# Altium PCB PCB_Gateway.PcbDoc (part 2 of 2)
Units mil, origin at the board's own origin, x right, y up, seen from the top; angles counter-clockwise.
Board outline 3595 x 2205 mil, 2 copper layers (Top Layer, Bottom Layer); 108 components, 73 nets, 446 pads, 140 vias.
Unrouted connection lines stored in the file: 5.
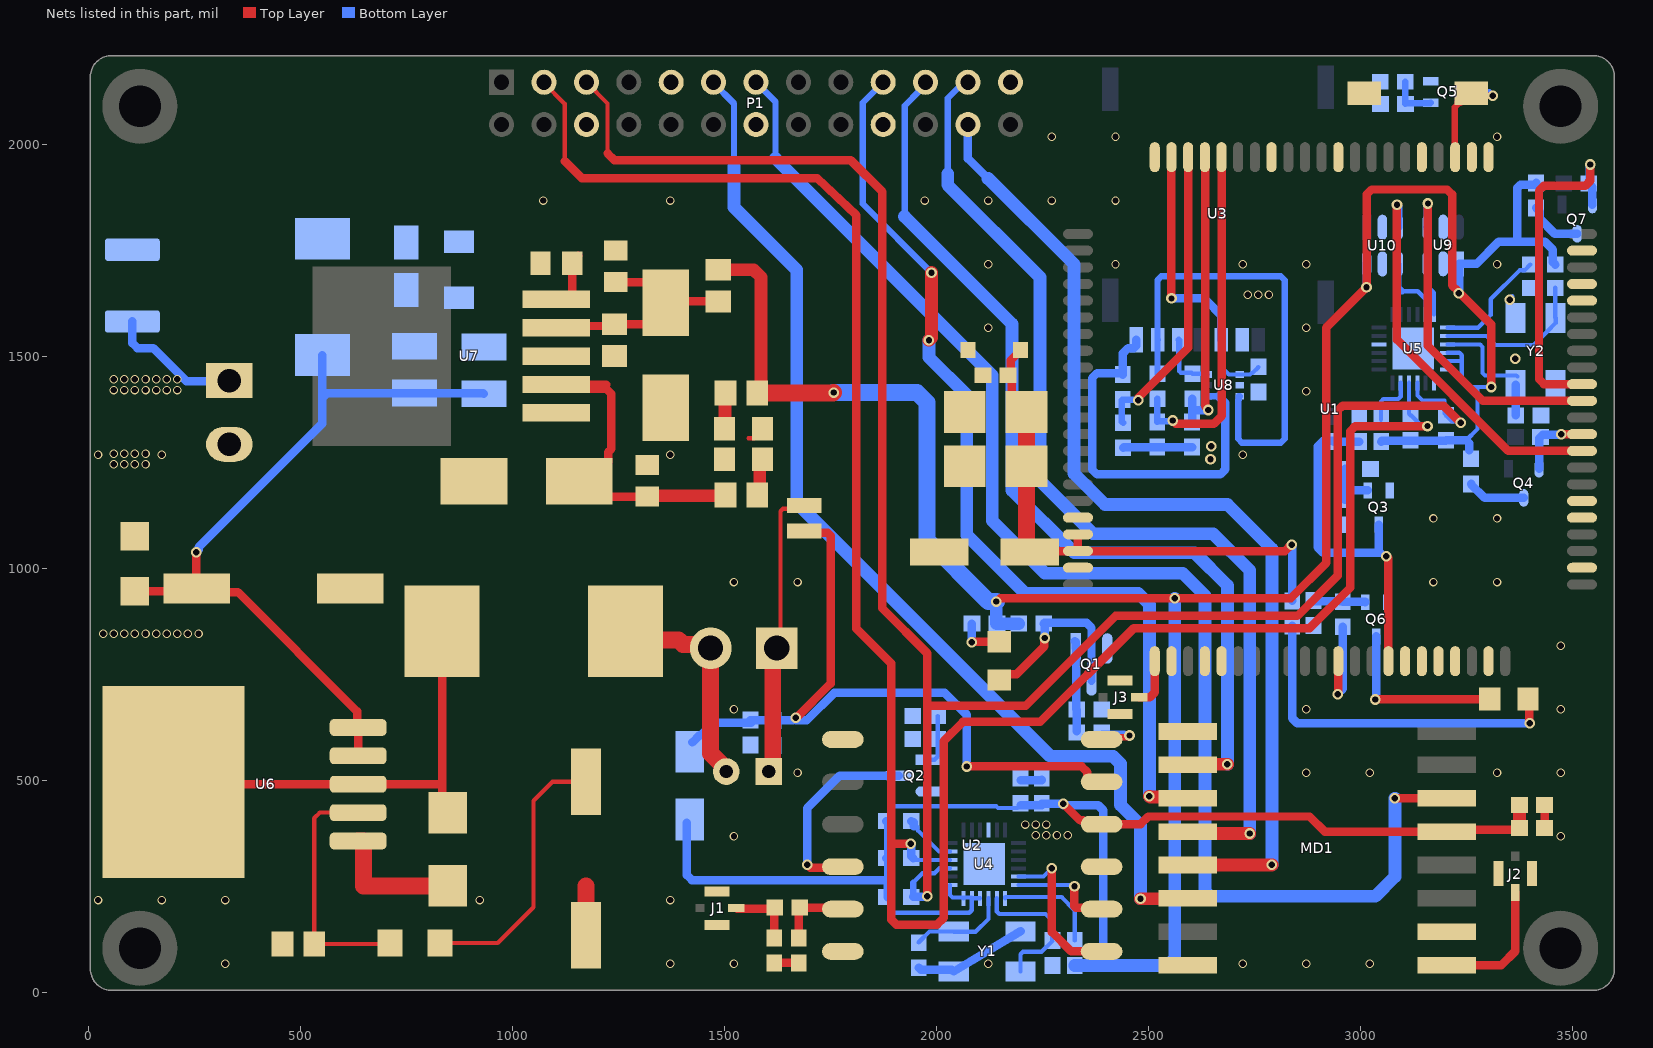
[diagram p2: the nets of this part, all layers, seen from the top]

## Via types
v1: diameter 20, hole 15, Top Layer to Bottom Layer, tented both sides, 92 vias
v2: diameter 25, hole 15, Top Layer to Bottom Layer, tented both sides, 48 vias

## Nets (pads, with @x,y where several pads share a name; then routed paths per layer and width w, separated by ;. In a path a pad name is that pad's centre, name@x,y a point inside that pad or via, vN(x,y) a via of type N, cw(c..) or ccw(c..) an arc to the next point about the centre after c; other vN are vias at no path point) (continued)
+3V3: C3.2 C4.1 C10.2 C11.2 D1.1 L5.2 MD1.13 R1.2 R2.2 R14.2 R20.2 R22.1 R23.1 R24.1 R25.1 R26.1 R27.1 R28.1 R29.1 R35.2 U2.4 U4.4 U4.5 U4.6 U4.7 U5.4 U5.5 U9.1 U10.6 | length 9331.1
  Top Layer w20: v2(2142,922) 2143.35,922 2151.35,930 v2(2563,930) 2837,930 2920,1013 2920,1568.21 v2(3015.2,1663.4) 3015.2,1882.28 3026.91,1894 3205.28,1894 3217,1882.28 3217,1667.75 3230.5,1654.25 3230.5,1652.85 3233,1650.35 v2(3233,1649) ; v2(2299.53,445.47) 2339.32,405.68 2346.35,405.68 2355.35,396.69 U2.4@2390.12,396.69 ; U2.4@2388.43,397 2482.31,397 2500.31,415 2881,415 2916.63,379.37 MD1.13@3204.12,379.37 3208.75,384 C10.2@3367.3,384 ; v2@3238.5,1646.5 3309,1576 v2(3309,1428.02)
  Top Layer w30: L5.2@1486,1704.8 1569.43,1704.8 1587,1687.23 1587,1423.2 R35.2@1577.8,1414 ; C10.2@3376,388 C11.2@3376,442
  Top Layer w40: R35.2@1577.8,1414 1757,1414 v2(1758,1415)
  Bottom Layer w10: R28.1@1882.47,404 1890,411.53 1890,433.14 1895.86,439 2133,439 2141.67,439 2145.67,435 2192.53,435 C4.1@2199,441.47 ; R24.1@1885.47,225 1889,221.47 1889,193.86 1894.86,188 2078.14,188 2084,193.86 U4.5@2084,222 U4.4@2103.69,222 ; U4.7@2032.82,253.5 2032.82,229.86 2038.68,224 2064.04,224 2064.32,223.72 U4.6@2064.32,222 ; U4.6@2064.32,224 U4.5@2084,224 ; U5.5@3205.99,1489.19 3234.14,1489.19 ; U5.4@3205.99,1508.87 3234.14,1508.87 3240,1503.02 3240,1449.03 3261.02,1428.02 3277.01,1428.02 ; 3250.28,1302.47 3277.01,1329.2 3277.01,1428.02 ; v2(3309,1428.02) 3277.01,1428.02
  Bottom Layer w20: D1.1@1412,400.12 1412,276.72 1423.72,265 1885.47,265 ; R25.1@1882.47,317 1887.38,321.91 1887.38,399.09 R28.1@1882.47,404 ; R24.1@1885.47,225 1885.47,265 ; R25.1@1886.47,317 1886.47,271 1885.47,270 1885.47,265 ; C4.1@2199,441.47 2199.5,441.97 2248.5,441.97 C3.2@2249,442.47 ; C3.2@2249,445.47 v2(2299.53,445.47) ; v2@2299.53,441.47 2382.28,441.47 2394,429.76 2394,63.47 ; v2(3015.2,1663.4) U10.6@3015.2,1718.35 ; R29.1@3050,1299.47 3051.5,1300.97 3201.5,1300.97 R26.1@3203,1302.47 3250.28,1302.47 3257.71,1295.05 3257.71,1278.93 ; v2(3233,1649) 3234.2,1650.2 3234.2,1717.88 U9.1@3233.4,1718.67 3274.67,1718.67 3327,1771 3435.62,1771 3454.67,1751.95 3454.67,1722.86 R23.1@3460.53,1717 ; 3370.77,1781.23 3370.77,1897.81 3378.34,1905.38 3410.85,1905.38 R20.2@3415,1909.53
  Bottom Layer w30: v2(2142,922) 2142,871.53 ccw(c2143.53,871.53) R1.2@2143.53,870 R2.2@2194.47,870 ; R22.1@2327,63.47 2394,63.47 2545.43,63.47 2563,81.05 v2(2563,930)
  Bottom Layer w40: v2(1758,1415) 1954.57,1415 1978,1391.57 1978,1067 2123,922 v2(2142,922)
+5: C18.1 C19.1 C20.1 FAN.2 H1.2 L4.2 R30.1 R34.2 U7.1 U7.2 | length 2041.1
  Top Layer w10: R30.1@830.11,116.73 965.73,116.73 1050,201 1050,452 1095,497 C18.1@1174,497
  Top Layer w20: 1222,1434 U7.2@1104,1434 1114.5,1423.5 1222.28,1423.5 1234,1411.78 1234,1282 1226.14,1274.14 1226.14,1251.12 1181.02,1206 C20.1@1158,1206 1194.23,1169.77 C19.1@1318.13,1169.77
  Top Layer w30: C19.1@1318.13,1169.77 1319.75,1171.39 1501.39,1171.39 R34.2@1503,1173
  Top Layer w40: L4.2@1267.54,852 1288.22,831.31 1392.69,831.31 1402.82,821.18 1458.92,821.18 H1.2@1468.09,812 1468.09,564.13 1505,527.22 FAN.2@1505,521
+24: F1.1 P2.1 | length 306.1
  Bottom Layer w20: F1.1@104,1582.71 104,1531.55 115.72,1519.83 153.17,1519.83 231,1442 P2.1@321.86,1442
  other v1: 60,1421 85,1421 110,1421 135,1421 160,1421 185,1421 210,1421 60,1446 85,1446 110,1446 135,1446 160,1446 185,1446 210,1446
+24_PR: D3.1 D4.2 D5.1 F1.2
+VDD_EXT: U1.44
+VIN_24: C16.2 C17.1 C23.2 C24.2 D3.2 U6.4 U6.5 | length 1813.5
  Top Layer w20: C16.2@110,946.08 248.87,946.08 C17.1@255.8,953 ; v2(255,1038) 255,953.8 C17.1@255.8,953 ; U6.4@636.43,558.05 U6.5@636.43,624.98 634.05,627.35 634.05,662.95 352.82,944.18 264.61,944.18 C17.1@255.8,953
  Bottom Layer w20: v2(255,1038) 255,1039.35 260,1044.35 260,1050 552,1342 552,1402 ; D3.2@552,1503.57 552,1402 ; C24.2@933,1412 931.24,1413.76 C23.2@769,1413.76 563.76,1413.76 552,1402
  other v1: 35,846 60,846 85,846 110,846 135,846 160,846 185,846 210,846 235,846 260,846
ADJ: R31.1 R33.2 U7.5 | length 139.2
  Top Layer w20: U7.5@1104,1635 1131.07,1635 1141.57,1645.5 R33.2@1141.57,1719.61 1141.57,1723.54 R33.2@1155.2,1737.17
CLK: MD1.4 P1.23 | length 2407
  Top Layer w30: MD1.4@2593.88,379.37 2598.25,375 v2(2740,375)
  Bottom Layer w10: P1.23@2065,2147 P1.23@2075,2147
  Bottom Layer w15: 2027,1931 2027,2109 P1.23@2065,2147
  Bottom Layer w30: 2027,1931 2027,1905 2245,1687 2245,1207 2369.93,1082.07 2653.35,1082.07 2740,995.42 v2(2740,375)
FB: R30.2 R32.2 U6.2 | length 583.2
  Top Layer w10: U6.2@636.43,424.19 546.19,424.19 532.8,410.8 R32.2@532.8,114 R30.2@710,114
GMS_!FLIGHTMODE: R11.1
GMS_!PWRKEY: R16.1
GMS_ANTEN: J3.1 U1.82 | length 108.8
  Top Layer w20: J3.1@2479.28,696 2503.9,696 2515.61,707.72 U1.82@2515.61,775.28
GMS_DTR: Q7.2 R19.2 U1.72 | length 831
  Top Layer w20: U1.72@3535,1434.89 3433.72,1434.89 3422,1446.61 3422,1891.28 3433.72,1903 3531.28,1903 3543,1914.72 v2(3543,1953)
  Bottom Layer w20: v2(3543,1953) 3542.04,1952.04 3542.04,1910.52 R19.2@3539.53,1908 3547.73,1899.8 3547.73,1858.81 Q7.2@3548.02,1858.52
GMS_FLIGHTMODE: C28.1 Q3.3 R9.1 U1.54 | length 801.6
  Top Layer w20: v2(3062,1029) 3066.1,1024.9 U1.54@3066.1,790.92
  Bottom Layer w20: R9.1@2938,1299.47 C28.1@2998,1299.47 ; R9.1@2938,1301.47 2913.47,1301.47 2900,1288 2900,1050 2913,1037 3047,1037 3044,1040 Q3.3@3044,1103.65
GMS_NETLED: R18.1 U1.51 | length 242.3
  Top Layer w20: v2(2947.5,703.5) 2947.5,704.85 2949,706.35 2949,781.03 U1.51@2948.68,781.35
  Bottom Layer w20: v2(2947.5,703.5) 2947.5,704.85 2959,716.35 R18.1@2959,862.47
GMS_PWRKEY: Q5.3 SW.1 U1.3 | length 345.7
  Top Layer w15: U1.3@3223,1969.11 3223,2088.15 3230.13,2095.28 3230.13,2100.94 3252.19,2123 3257.85,2123 3265.85,2115 v2(3313,2115)
  Top Layer w20: SW.1@3235.79,2100.94 3235.79,2121 SW.1@3262,2121
  Bottom Layer w15: Q5.3@3247.35,2124 3247.85,2123.5 3304.5,2123.5 v2(3313,2115)
GMS_RI: Q4.2 R13.2 U1.69 | length 176.7
  Top Layer w20: v2(3474.85,1316.78) U1.69@3523.49,1316.78
  Bottom Layer w20: Q4.2@3422.02,1235.52 3422.32,1235.81 3422.32,1306.79 R13.2@3425.53,1310 3431.35,1315.82 3473.9,1315.82 v2(3474.85,1316.78)
GMS_RP_DTR: Q7.3 R20.1 | length 131.9
  Bottom Layer w20: R20.1@3415,1850.47 3423.7,1841.77 3423.7,1825.3 3459.27,1789.73 3511.29,1789.73 3511.54,1789.48 Q7.3@3512,1789.48
GMS_RP_RI: Q4.3 R14.1 | length 138.2
  Bottom Layer w20: R14.1@3262,1199.47 3262,1198.49 3294,1166.48 Q4.3@3386,1166.48
GMS_RP_RX: U5.23 U10.4 | length 167.4
  Bottom Layer w10: 3099,1654 3136,1654 3154.81,1635.19 U5.23@3154.81,1599.43
  Bottom Layer w15: U10.4@3090,1718.35 3090,1663 3099,1654
GMS_RP_TX: U5.24 U9.3 | length 125.8
  Bottom Layer w10: 3161,1664 3174.5,1650.5 U5.24@3174.5,1599.43
  Bottom Layer w15: U9.3@3158.6,1718.67 3158.6,1666.4 3161,1664
GMS_RX: U1.68 U10.3 | length 929
  Top Layer w20: v2(3087,1858) 3087,1540 3349.59,1277.41 U1.68@3535,1277.41
  Bottom Layer w20: v2(3087,1858) 3087,1856.65 3089.53,1854.11 3089.53,1805.47 U10.3@3090,1805
GMS_SCL: U1.55
GMS_SDA: U1.56
GMS_TX: U1.71 U9.4 | length 820.9
  Top Layer w20: v2(3160,1861) 3160,1627.69 3160,1525 3289.48,1395.52 3392.17,1395.52 U1.71@3535,1395.52
  Bottom Layer w20: U9.4@3158.6,1805.33 3159.06,1805.79 3159.06,1860.06 v2(3160,1861)
GND: BAT1.N C1.1 C2.2 C3.1 C4.2 C5.2 C6.2 C7.2 C8.2 C9.2 C10.1 C11.1 C12.2 C13.2 C14.2 C15.2 C16.1 C17.2 C18.2 C19.2 C20.2 C21.1 C22.2 C23.1 C24.1 C25.2 C26.2 C27.2 C28.2 D2.1 D4.1 D5.2 D6.1 FAN.1 H1.1 J1.2 J1.3 J2.2 J2.3 J3.2 J3.3 L3.2 L6.2 MD1.1 MD1.8 MD1.10 P1.6 P1.9 P1.14 P1.20 P1.25 P2.2 Q1.2 Q2.2 Q3.2 Q5.2 Q6.2 R6.1 R10.1 R12.1 R17.1 R21.1 R32.1 R33.1 R36.2 R37.2 SW.2 U1.1 U1.2 U1.5 U1.10 U1.14 U1.37 U1.40 U1.41 U1.43 U1.57 U1.58 U1.60 U1.61 U1.64 U1.65 U1.77 U1.78 U1.80 U1.81 U2.3 U2.12 U3.C5 U4.16 U4.25 U5.6 U5.7 U5.16 U5.25 U6.1 U7.3 U8.2 U9.2 U9.5 U10.2 U10.5 Y1.2 Y1.4 Y2.2 Y2.4 | length 1746.7
  Top Layer w10: L3.2@1500.54,1258 L3.2@1500.54,1260.5 ; 1557.5,1307.5 L6.2@1570.54,1307.5 ; L6.2@1590.54,1327.5 L6.2@1590.54,1330 ; H1.1@1624,812 1633,821 1633,1135.14 1638.86,1141 1681.94,1141 BAT1.N@1689,1148.06
  Top Layer w20: R36.2@1618,69.47 R37.2@1676,69.47 ; C10.1@3435.06,388 C11.1@3435.06,442
  Top Layer w40: U6.1@636.43,357.26 649,357.26 649,251.45 D2.1@848,251.45 ; C18.2@1174,134.8 1174,251.45 ; FAN.1@1605,521 1614.5,530.5 1614.5,802.5 H1.1@1624,812
  Bottom Layer w10: v2(2649,1288) v2@2650,1287 ; v2(3353,1634) 3353,1636 v2@3359,1642
  Bottom Layer w20: C14.2@1959,58.47 1963.48,53.99 2037.04,53.99 Y1.2@2041.52,49.51 Y1.4@2199,144 ; C4.2@2199,500.53 2199.5,501.03 2248.5,501.03 C3.1@2249,501.53 ; C25.2@2441,1284.47 2442,1285.47 2520.5,1285.47 C26.2@2521.5,1286.47 ; C26.2@2521.5,1286.47 C27.2@2603.5,1286.5
  other v1: 323,68 1373,68 1523,68 2123,68 2723,68 2873,68 3023,68 23,218 173,218 323,218 923,218 1373,218 1523,368 3473,368 2235,371 2260,371 2285,371 2310,371 2210,396 2235,396 2260,396 1673,518 2873,518 3023,518 3323,518 3473,518 1523,668 2873,668 3473,668 3473,818 1523,968 1673,968 3173,968 3323,968 3173,1118 3323,1118 60,1246 85,1246 110,1246 135,1246 23,1268 173,1268 1373,1268 2723,1268 60,1271 85,1271 110,1271 135,1271 2873,1418 2123,1568 2873,1568 2735,1646 2760,1646 2785,1646 2123,1718 2423,1718 2723,1718 2873,1718 3323,1718 1073,1868 1373,1868 1973,1868 2123,1868 2273,1868 2423,1868 2273,2018 2423,2018 3323,2018
  other v2: 2647,1258 3366,1495
GPS_ANTEN: R37.1 R38.1 U2.11 | length 176.2
  Top Layer w20: R37.1@1676,128.53 1676,197.47 cw(c1678.53,197.47) R38.1@1678.53,200 1776.57,200 cw(c1776.57,196.69) U2.11@1779.88,196.69
GPS_PPS: L1.2 Q1.3 R2.1 | length 437.6
  Top Layer w20: L1.2@2149,737 2162.96,750.96 2189.96,750.96 2255.45,816.45 2255.45,835.45 v2(2256,836)
  Bottom Layer w20: v2(2256,836) 2256,867.53 ccw(c2253.53,867.53) R2.1@2253.53,870 2255.53,872 2256,872 2354.69,872 2366.4,860.28 Q1.3@2366.4,735.76
GPS_RESET: R4.1
GPS_RX: U2.1 U4.23 | length 375
  Top Layer w20: v2(2273,293) 2273,142.3 2318.61,96.69 U2.1@2390.12,96.69
  Bottom Layer w10: U4.23@2194.24,273.18 2253.18,273.18 v2(2273,293)
  Bottom Layer w20: v2@2271.65,293 v2(2273,293)
GPS_TIMER: U2.7
GPS_TX: U2.2 U4.24 | length 247.5
  Top Layer w20: v2(2326.25,250.75) 2326.25,202.79 2329,200.04 2386.76,200.04 U2.2@2390.12,196.69
  Bottom Layer w10: U4.24@2194.24,253.5 2323.5,253.5 v2(2326.25,250.75)
GPS_V_BCKP: BAT1.P C1.2 C2.1 D1.2 U2.5 | length 1711.9
  Top Layer w20: v2@1671.31,648.96 1751,728.65 1751,1077.28 1744.39,1083.89 1694.11,1083.89 BAT1.P@1689,1089 ; v2(2072,533) 2343.21,533 2356.88,519.32 2356.88,505.63 2365.83,496.69 U2.5@2390.12,496.69
  Bottom Layer w20: D1.2@1425,589.75 1442.46,607.21 1445.15,607.21 1473.94,636 C2.1@1564.08,636 ; C2.1@1562,642.53 1562.5,642.03 1616.5,642.03 C1.2@1617,641.53 1661.17,641.53 1667.65,648 v2(1669,648) ; v2@1668.22,642.22 1695.22,642.22 1760,707 2020,707 2072,655 v2(2072,533)
GPSPPS: R3.1 U2.6 | length 124.2
  Top Layer w10: U2.6@2390.12,596.69 U2.6@2395.74,602.31 ; v2@2448.25,602.31 2451.94,606 v2(2456,606)
  Top Layer w15: U2.6@2395.74,602.31 v2@2448.25,602.31
  Bottom Layer w10: R3.1@2390.53,613 2444.94,613
GPSRESET: Q2.3 U2.10 | length 468.4
  Top Layer w20: v2(1696.04,301.46) 1703.18,294.32 1777.51,294.32 U2.10@1779.88,296.69
  Bottom Layer w20: v2(1696.04,301.46) 1696.04,309.96 1696,310 1696,435 1772.4,511.4 Q2.3@1911.39,511.4
LORA_ANTEN: J2.1 MD1.9 | length 314.1
  Top Layer w20: MD1.9@3204.12,64.41 3333.41,64.41 3366,97 J2.1@3366,235.72
LORA_DIO0: MD1.14 P1.13 | length 3316.4
  Top Layer w20: v2(3082.11,458.11) MD1.14@3204.12,458.11
  Bottom Layer w15: P1.13@1575,2147 1621,2101 1621,1967
  Bottom Layer w30: 1621,1967 2132,1456 2132,1113 2256,989 2581,989 2634,936 2634,238.72 2645.72,227 3036,227 3082.11,273.11 v2(3082.11,458.11)
LORA_RESET: MD1.6 P1.11 | length 2542.3
  Top Layer w30: v2(2482,221) 2592.99,221 MD1.6@2593.88,221.89
  Bottom Layer w10: P1.11@1475,2145 P1.11@1475,2147
  Bottom Layer w15: P1.11@1475,2145 1523,2097 1523,1949
  Bottom Layer w30: 1523,1949 1523,1852 1671,1704 1671,1155 2269,557 2417.43,557 2435,539.43 2435,442 2482,395 v2(2482,221)
LORA_SS: MD1.5 P1.24 | length 2411.1
  Top Layer w30: MD1.5@2593.88,300.63 2791.63,300.63 v2(2792,301)
  Bottom Layer w20: P1.24@2075,2047 2075,1967 2122,1920
  Bottom Layer w30: 2122,1920 2123,1920 2325,1718 2325,1518.5 2325,1224 2398,1151 2687,1151 2792,1046 v2(2792,301)
MISO: MD1.2 P1.21 | length 2204.9
  Top Layer w30: MD1.2@2593.88,536.85 2595.03,538 v2(2687,538)
  Bottom Layer w10: P1.21@1962,2128 1975,2141 P1.21@1975,2147
  Bottom Layer w15: 1925.47,1830.1 1925.47,2091.47 P1.21@1962,2128
  Bottom Layer w30: 1925.47,1830.1 2179,1576.57 2179,1184 2326,1037 2610,1037 2687,960 v2(2687,538)
MOSI: MD1.3 P1.19 | length 2238.2
  Top Layer w30: v2(1982.93,1538.07) 1989,1544.14 v2(1989,1698) ; v2(2503,463) 2504.77,461.23 2590.77,461.23 MD1.3@2593.88,458.11
  Bottom Layer w15: P1.19@1875,2147 1827,2099 1827,2044 1827,1860 v2(1989,1698)
  Bottom Layer w30: v2(1982.93,1538.07) 1982.93,1498.07 2072,1409 2072,1079 2210,941 2477,941 2503,915 v2(2503,463)
MS_CLK: R8.2 U3.C3 U8.4 | length 925.5
  Bottom Layer w15: U8.4@2641,1406.41 2666.28,1406.41
  Bottom Layer w20: U3.C3@2472.31,1539.57 2472.31,1525.79 2466.56,1520.04 2452.83,1520.04 2440,1507.21 R8.2@2440,1457.53 2436.53,1461 2379.72,1461 2368,1449.28 2368,1233.72 2379.72,1222 2670.28,1222 2682,1233.72 2682,1390.69 2666.28,1406.41
MS_IO: R7.2 U3.C7 U8.3 | length 1122.7
  Bottom Layer w15: R7.2@2522,1459.53 2522.15,1459.68 2522.15,1539.41 U3.C7@2522.31,1539.57 2522,1539.87 2522,1680.21 2530.79,1689 2813.21,1689 2822,1680.21 2822,1305.79 2813.21,1297 2721.19,1297 2712.4,1305.79 2712.4,1397.25 2713.46,1398.31 2713.46,1406.04 2713.84,1406.41 U8.3@2715.8,1406.41
MS_RST: R5.2 U3.C2 U8.6 | length 148.3
  Bottom Layer w10: 2573.15,1502.7 2573.15,1465.41 2576.66,1461.91 2602.15,1461.91 R5.2@2604.5,1459.56 2631.69,1459.53 2636.63,1454.59 2638.6,1454.59 U8.6@2641,1457.59
  Bottom Layer w15: U3.C2@2572.31,1539.57 2573.15,1538.72 2573.15,1502.7
NetJ1_1: J1.1 R36.1 R38.2 | length 159.1
  Top Layer w20: J1.1@1531.28,197 1616.47,197 ccw(c1616.47,200) R38.2@1618,197.42 ; R36.1@1618,128.53 R38.2@1618,197.42 ; R38.2@1619.47,200 ccw(c1619.47,198.53) 1618,198.53 R38.2@1618,197.42
NetL1_1: L1.1 R1.1 | length 115.8
  Top Layer w20: v2(2084,826) cw(c2085,826) 2085,827 L1.1@2149,827 L1.1@2144.96,831.04
  Bottom Layer w20: v2(2084,826) 2084,870 R1.1@2084.47,870
NetL2_1: L2.1 R15.1 | length 841.3
  Top Layer w20: L2.1@3396,692 3399.04,688.96 3399.04,635.96 v2(3400,635)
  Bottom Layer w20: R15.1@2840,864.47 2840,646.72 2851.72,635 v2(3400,635)
NetL2_2: L2.2 Q6.3 | length 419.5
  Top Layer w20: v2@3036,692 L2.2@3306,692
  Bottom Layer w20: v2(3036,691) 3038,693 Q6.3@3038,839.65
NetL3_1: L3.1 R34.1 | length 90.3
  Top Layer w30: R34.1@1577.8,1173 1584.17,1179.37 1584.17,1251.63 L3.1@1590.54,1258
NetL6_1: L6.1 R35.1 | length 85
  Top Layer w30: L6.1@1500.54,1330 1501.77,1331.23 1501.77,1412.77 R35.1@1503,1414
NetQ1_1: Q1.1 R3.2 R6.2 | length 214.8
  Bottom Layer w20: Q1.1@2326.83,828.89 2329,826.72 Q1.1@2329,811.36 2330.24,810.13 2330.24,668.24 R6.2@2331.47,667 R3.2@2331.47,616
NetQ2_1: Q2.1 R4.2 R10.2 | length 115.5
  Bottom Layer w10: Q2.1@1987,548.8 1996.36,548.8 2003.53,555.97 R4.2@2003.53,598 R10.2@2003.53,652
NetQ3_1: Q3.1 R11.2 R12.2 | length 179.6
  Bottom Layer w20: R11.2@2964,1162.53 2964,1198 2965.47,1199.47 R12.2@2965.47,1235 2964.74,1234.26 2964.74,1183 2966.09,1184.35 Q3.1@3018.41,1184.35
NetQ5_1: Q5.1 R16.2 R17.2 | length 112.8
  Bottom Layer w15: R17.2@3106.53,2148 3106.76,2147.76 3106.76,2096.24 R16.2@3107,2096 3108.2,2097.2 3165.44,2097.2 Q5.1@3166.65,2098.41
NetQ6_1: Q6.1 R18.2 R21.2 | length 124.7
  Bottom Layer w20: R21.2@2890,924.53 2891.5,923.03 2957.5,923.03 R18.2@2959,921.53 3012.25,921.53 3012.41,921.37 Q6.1@3012.41,920.35
NetR22_2: R22.2 U4.1 | length 251.4
  Bottom Layer w10: U4.1@2162.74,222 2162.74,224.72 2163.02,225 2296,225 2327,194 R22.2@2327,122.53
NetR23_2: R23.2 U5.1 | length 278.9
  Bottom Layer w10: U5.1@3205.99,1567.93 3278,1567.93 3308,1597.93 3308,1635 3376.3,1703.3 3387.77,1703.3 R23.2@3401.47,1717
NetR28_2: R28.2 U4.11 | length 132.2
  Bottom Layer w10: R28.2@1947.53,391.47 1955.04,391.47 1956.21,390.3 1956.21,382.79 2006.49,332.51 2032.54,332.51 U4.11@2032.82,332.24
  Bottom Layer w20: R28.2@1941.53,404 R28.2@1947.53,398 ; R28.2@1947.53,391.47 R28.2@1947.53,398 ; R28.2@1947.53,401 R28.2@1947.53,398
NetR29_2: R29.2 U5.11 | length 126.8
  Bottom Layer w10: R29.2@3049,1351.14 3049,1394.14 3054.86,1400 3089.9,1400 3095.76,1405.86 U5.11@3095.76,1438.01
OUT: C21.2 C22.1 L5.1 R31.2 U7.4 | length 550.5
  Top Layer w20: U7.4@1104,1568 1108,1572 1237,1572 C21.2@1241,1576 1316.88,1576 1362,1621.12 C22.1@1362,1627.03 ; R31.2@1244.61,1675.43 1316.88,1675.43 1362,1630.31 C22.1@1362,1627.03 ; L5.1@1486,1630 1364.97,1630 C22.1@1362,1627.03
SCL: P1.5 R24.2 R26.2 U4.9 U5.9 | length 4723.2
  Top Layer w10: P1.5@1175,2147 1225,2097 1225,1979
  Top Layer w20: 1225,1979 1241,1963 1798.64,1963 1873,1888.64 1873,906 1979,800 1979,676 ; v2(1979,227) 1979,676 ; v2(3237.52,1343.52) 3197.04,1384 2958.72,1384 2947,1372.28 2947,983 2852,888 2423,888 2211,676 1979,676
  Bottom Layer w10: 1946,259 1968,281 1996,281 2007.87,292.87 U4.9@2032.82,292.87 ; U5.9@3135.13,1438.01 3135.13,1407.87 3147,1396 3199.14,1396 3199.14,1365.39 R26.2@3203,1361.53 3203,1360.54 3216.7,1346.84 3230.14,1346.84 3233.46,1343.52 v2(3237.52,1343.52)
  Bottom Layer w15: R24.2@1944.53,225 1945.57,226.04 1946,226.47 1946,259
  Bottom Layer w20: R24.2@1945.57,226.04 1978.04,226.04 v2(1979,227)
SDA: P1.3 R25.2 R27.2 U4.10 U5.10 | length 5155.3
  Top Layer w10: P1.3@1075,2147 1075,2145 1124,2096 1124,1961
  Top Layer w20: 1124,1961 1164,1921 1719.07,1921 1812,1833.03 1812,858 1894,776 1894,351 1894,171.72 1905.72,160 2002,160 2018,176 2018,593 2063,638 2245,638 2466,859 2881,859 2977,955 2977,1324.28 2988.72,1336 v2(3159,1336) ; 1897.78,351 v2(1940,351)
  Bottom Layer w10: R25.2@1945.53,317 1949.98,312.55 U4.10@2032.82,312.55 ; U5.10@3115.44,1438.01 3115.44,1365.09 R27.2@3119,1361.53 3119.47,1362 3145.47,1336 v2(3159,1336)
  Bottom Layer w20: v2(1940,351) 1940.96,350.04 1940.96,321.57 R25.2@1945.53,317
SIM_CLK: C25.1 R8.1 U1.19 | length 720.6
  Top Layer w15: v2(2477,1397) v2@2477,1403
  Top Layer w20: v2@2477,1403 2595,1521 U1.19@2595,1973.15
  Bottom Layer w15: R8.1@2438.74,1397.74 2476.26,1397.74 v2(2477,1397) ; R8.1@2440,1398.47 2438,1396.47 2438,1346.53 C25.1@2441,1343.53
SIM_DATA: C26.1 R7.1 U1.17 | length 818.9
  Top Layer w20: v2(2558,1349) 2565.59,1341.41 2654.96,1341.41 2674,1360.45 2674,1943.23 2673.79,1943.45 2673.79,1959.1 U1.17@2674,1959.32
  Bottom Layer w15: C26.1@2521.5,1345.53 2521.75,1345.78 2521.75,1400.22 R7.1@2522,1400.47 ; C26.1@2521.75,1349 2523.49,1347.26 2556.26,1347.26 v2(2558,1349)
SIM_RST: C27.1 R5.1 U1.18 | length 692.5
  Top Layer w20: U1.18@2634.42,1970.25 2634.42,1382.35 2641.5,1375.26 v2(2641.5,1373.91)
  Bottom Layer w20: C27.1@2603.5,1345.56 2604,1346.06 2604,1373.03 ; R5.1@2604.5,1400.5 2604,1400 2604,1373.03 ; v2(2641.5,1373.91) 2640.63,1373.04 2604.52,1373.04 2604,1373.03
SW: D2.2 L4.1 U6.3 | length 1071.4
  Top Layer w20: U6.3@201,496 205.88,491.12 U6.3@636.43,491.12 829.88,491.12 834.46,486.54 ; L4.1@834.46,852 834.46,486.54 ; D2.2@848,423.55 834.46,437.09 834.46,486.54
VBAT: C5.1 C6.1 C7.1 C8.1 D6.2 R15.2 U1.38 U1.39 | length 1294.8
  Top Layer w20: D6.2@2199.01,1515 2199.01,1514.02 2175.67,1490.67 2175.67,1461.15 2171.76,1457.24 2178.57,1450.43 2178.57,1403.27 C6.1@2212.83,1369 ; C7.1@2220.3,1039 2282,1039 2284.19,1041.19 U1.39@2334.51,1041.19 ; U1.38@2334.51,1080.56 U1.39@2334.51,1041.19 ; v2(2839,1056) 2837.65,1056 2822.84,1041.19 U1.39@2334.51,1041.19
  Top Layer w40: C7.1@2212.83,1046.46 C5.1@2212.83,1241 C6.1@2212.83,1369
  Bottom Layer w10: v2(2839,1056) v2@2840,1055
  Bottom Layer w20: R15.2@2840,923.53 2840,1017 v2@2840,1055
VMSIM: C9.1 U1.20 U3.C1 U8.1 | length 665.3
  Top Layer w20: v2(2555,1637) U1.20@2555,1943.87
  Bottom Layer w10: 2675,1473 2690.41,1457.59 U8.1@2715.8,1457.59 2740.44,1457.59 2743.69,1460.84 2746.3,1460.84 2760,1474.54 C9.1@2760,1475.53
  Bottom Layer w15: U3.C1@2672.31,1539.57 2675,1536.87 2675,1473
  Bottom Layer w20: v2(2555,1637) 2632.32,1637 2637.37,1631.96 2672.31,1597.02 U3.C1@2672.31,1539.57
XTAL1_1: C12.1 U4.2 Y1.1 | length 347.2
  Bottom Layer w10: U4.2@2143.06,222 2143.06,190.86 2148.91,185 2258,185 2274,169 C12.1@2274,122.53 2274,121.54 2248.46,96 2204.86,96 2199,90.14 Y1.1@2199,49.51
XTAL1_2: C13.1 U5.2 Y2.1 | length 368.9
  Bottom Layer w10: U5.2@3205.99,1548.24 3297.76,1548.24 3319,1527 3409.31,1527 3442.62,1560.31 3461.24,1578.93 Y2.1@3461.24,1590.74 3460.53,1591.46 C13.1@3460.53,1662
XTAL2_1: C14.1 U4.3 Y1.3 | length 237.7
  Bottom Layer w10: C14.1@1959,117.53 1959,118.51 1984.49,144 Y1.3@2041.52,144 ccw(c2042.52,144) 2042.52,143 2093,143 2123.37,173.37 U4.3@2123.37,222
XTAL2_2: C15.1 U5.3 Y2.3 | length 312.6
  Bottom Layer w10: U5.3@3205.99,1528.56 3283.14,1528.56 3289,1522.7 3289,1461.38 3294.86,1455.52 3368.48,1455.52 Y2.3@3371.24,1452.76
  Bottom Layer w20: Y2.3@3366.76,1433.26 3367.11,1432.9 3367.11,1361.36 C15.1@3367.47,1361 C15.1@3367.47,1368.53
pads on no net: J1.4 J2.4 J3.4 MD1.7 MD1.11 MD1.12 MD1.15 MD1.16 P1.1 P1.2 P1.4 P1.7 P1.8 P1.10 P1.12 P1.15 P1.16 P1.17 P1.18 P1.22 P1.26 U1.4 U1.6 U1.7 U1.8 U1.9 U1.11 U1.12 U1.13 U1.16 U1.21 U1.22 U1.23 U1.24 U1.25 U1.26 U1.27 U1.28 U1.29 U1.30 U1.31 U1.32 U1.33 U1.34 U1.35 U1.36 U1.42 U1.45 U1.46 U1.47 U1.48 U1.49 U1.50 U1.52 U1.53 U1.59 U1.62 U1.63 U1.66 U1.67 U1.70 U1.73 U1.74 U1.75 U1.76 U1.79 U1.83 U1.84 U1.85 U1.86 U1.87 U2.8 U2.9 U3. U3.C6 U3.CD U4.8 U4.12 U4.13 U4.14 U4.15 U4.17 U4.18 U4.19 U4.20 U4.21 U4.22 U5.8 U5.12 U5.13 U5.14 U5.15 U5.17 U5.18 U5.19 U5.20 U5.21 U5.22 U6. U7.6 U8.5

## Polygon pours and split planes (outlines as drawn)
+5 on Top Layer "+5_L01_P034" (solid, pour order 34): 1473,715 1223,715 1223,917 1530,917 1530,878 1544,864 1544,724 1449,724
GND on Top Layer "GND_L01_P036" (solid, remove dead copper, pour order 36): 5,55 5,2160 cw(c55,2160) 55,2210 3550,2210 cw(c3550,2160) 3600,2160 3600,55 cw(c3550,55) 3550,5 55,5 cw(c55,55)
+3V3 on Top Layer "+3V3_L01_P028" (solid, pour order 28): 1455,1680 1534,1680 1553,1661 1553,1426 1552,1425 1552,1381 1560,1373 1779,1373 1791,1385 1791,1797 1792,1798 1756,1834 1464,1834 1447,1817 1447,1688
+24 on Top Layer "+24_L01_P026" (solid, pour order 26): 393,1371 ccw(c393,1396) 418,1396 418,1754 cw(c437,1754) 437,1773 869,1773 ccw(c869,1805) 901,1805 901,2009 ccw(c880,2009) 880,2030 292,2030 ccw(c292,1967) 229,1967 cw(c180,1967) 180,1918 59,1918 ccw(c59,1880) 21,1880 21,1404 ccw(c54,1404) 54,1371
+5 on Top Layer "+5_L01_P009" (solid, pour order 9): 1011,1458 1254,1458 1254,1206 1264,1196 1371,1196 1371,1004 1011,1004
+5 on Top Layer "+5_L01_P013" (solid, pour order 13): 789,158 805,174 1001,174 1001,1129 1378,1129 1378,422 1345,389 1113,389 1079,355 1079,61.62 1050.19,32.81 789,32.81
ADJ on Top Layer "ADJ_L01_P019" (solid, pour order 19): 1103,1615 898,1615 889,1624 889,1651 903.5,1665.5 1103,1665.5
ADJ on Top Layer "ADJ_L01_P018" (solid, pour order 18): 1103,1821 1137,1855 1299,1855 1299,1737 1284,1722 1181,1722 1183.03,1614.68 1176,1615 1103,1615
OUT on Top Layer "OUT_L01_P017" (solid, pour order 17): 1527,1544 1527,1668 1446,1668 1425,1689 1425,1715 1421,1719 1209,1719 1201,1711 1201,1606 888,1606 888,1544 1022,1544
FB on Top Layer "FB_L01_P012" (solid, pour order 12): 700,456 539,456 494,411 494,32.81 764,32.81 764,392
SW on Top Layer "SW_L01_P007" (solid, pour order 7): 723,1075 723,713 775,661 775,524 769,518 491,518 369,640 369,722 309,722 293,706 293,277 368,352 368,358 472,462 712,462 769,405 769,377 789,357 923,357 964,398 964,1038 903,1099 747,1099
+VIN_24 on Top Layer "+VIN_24_L01_P006" (solid, pour order 6): 13,1016 172,1016 215,1059 445,1059 495,1009 495,842 668,669 714,669 734,649 734,551 709,526 539,526 492,573 492,696 372,816 13,816
GND on Bottom Layer "GND_L02_P031" (solid, pour order 31): 945,803 945,2209 3554,2209 cw(c3554,2163) 3600,2163 3600,56 cw(c3549,56) 3549,5 51,5 cw(c51,51) 5,51 5,803
GND on Bottom Layer "GND_L02_P030" (solid, pour order 30): 918,821 918,2210 62,2210 ccw(c62,2153) 5,2153 5,821
+3V3 on Bottom Layer "+3V3_L02_P029" (solid, pour order 29): 1734,1464 1952,1464 2025,1391 2025,1048 2123,950 2123,903 2009,903 1715,1197 1715,1445
+24_PR on Bottom Layer "+24_PR_L02_P027" (solid, pour order 27): 887,1719 ccw(c887,1745) 913,1745 913,2168 ccw(c882,2168) 882,2199 299,2199 ccw(c299,2141) 241,2141 241,2008 cw(c220,2008) 220,1987 50,1987 ccw(c50,1947) 10,1947 10,1741 ccw(c32,1741) 32,1719
no net on Bottom Layer "NONET_L02_P001" (solid, pour order 1): 1061,1802 1079,1784 1079,1653 1083,1653 1230,1506 1230,632 1223,625 1092,625 1092,1476 1097,1481 963,1615 962,1615 939,1638 939,1802
+VIN_24 on Bottom Layer "+VIN_24_L02_P022" (solid, pour order 22): 427,1574 650,1574 688,1536 688,1481 702,1467 1013,1467 1035,1445 1035,1312 1019,1296 853,1296 406,849 389,832 28,832 25.93,834.07 25.93,1199 373,1199 418,1244 418,1565
+24 on Bottom Layer "+24_L02_P004" (solid, pour order 4): 376,1371 12,1371 18,1377 18,1677 377,1677 393,1661 393,1388

## Other copper
Bottom Layer:
  pour cut-out: 2606,1132 2609,1129 2609,989 2662,936 2662,238.72 2807.28,238.72 2819,227 2820,228 2820,1046 2715,1151 2699,1135 2604,1135
  pour cut-out: 790,617 1089,617 1089,1099 790,1099

## Silkscreen, mask and mechanical layers (free items; w line width, h text height)
Top Overlay:
  drawing of 29 lines, arcs and shapes, not listed
  text "+24V" at 451,1388 h30 r90
  text "GND" at 451,1227 h30 r90
  text "GATEWAY" at 3556,503 h30 r90
Mechanical 1:
  lines w20: 55,5 cw(c55,55) 5,55 5,62.81 5,2155.81 5,2160 cw(c55,2160) 55,2210 ; 55.93,5 3538.61,5 3550,5 ccw(c3550,55) 3600,55 ; 55.93,2210 3538.61,2210 3550,2210 cw(c3550,2160) 3600,2160 ; 3600,62.81 3600,2155.81

## Text inside footprints (layer, text, board x,y; h text height)
C17: Top Overlay "+" at 146,855 h60
C18: Top Overlay "+" at 1074,597 h60 r270
P1: Top Overlay "1" at 902,2136 h30; Top Overlay "2" at 891,2030 h30; Top Overlay "25" at 2243,2130 h30; Top Overlay "26" at 2244,2029 h30
U6: Top Overlay "1" at 634.43,293.26 h39.37 r90